# KiCad board kim-1.kicad_pcb
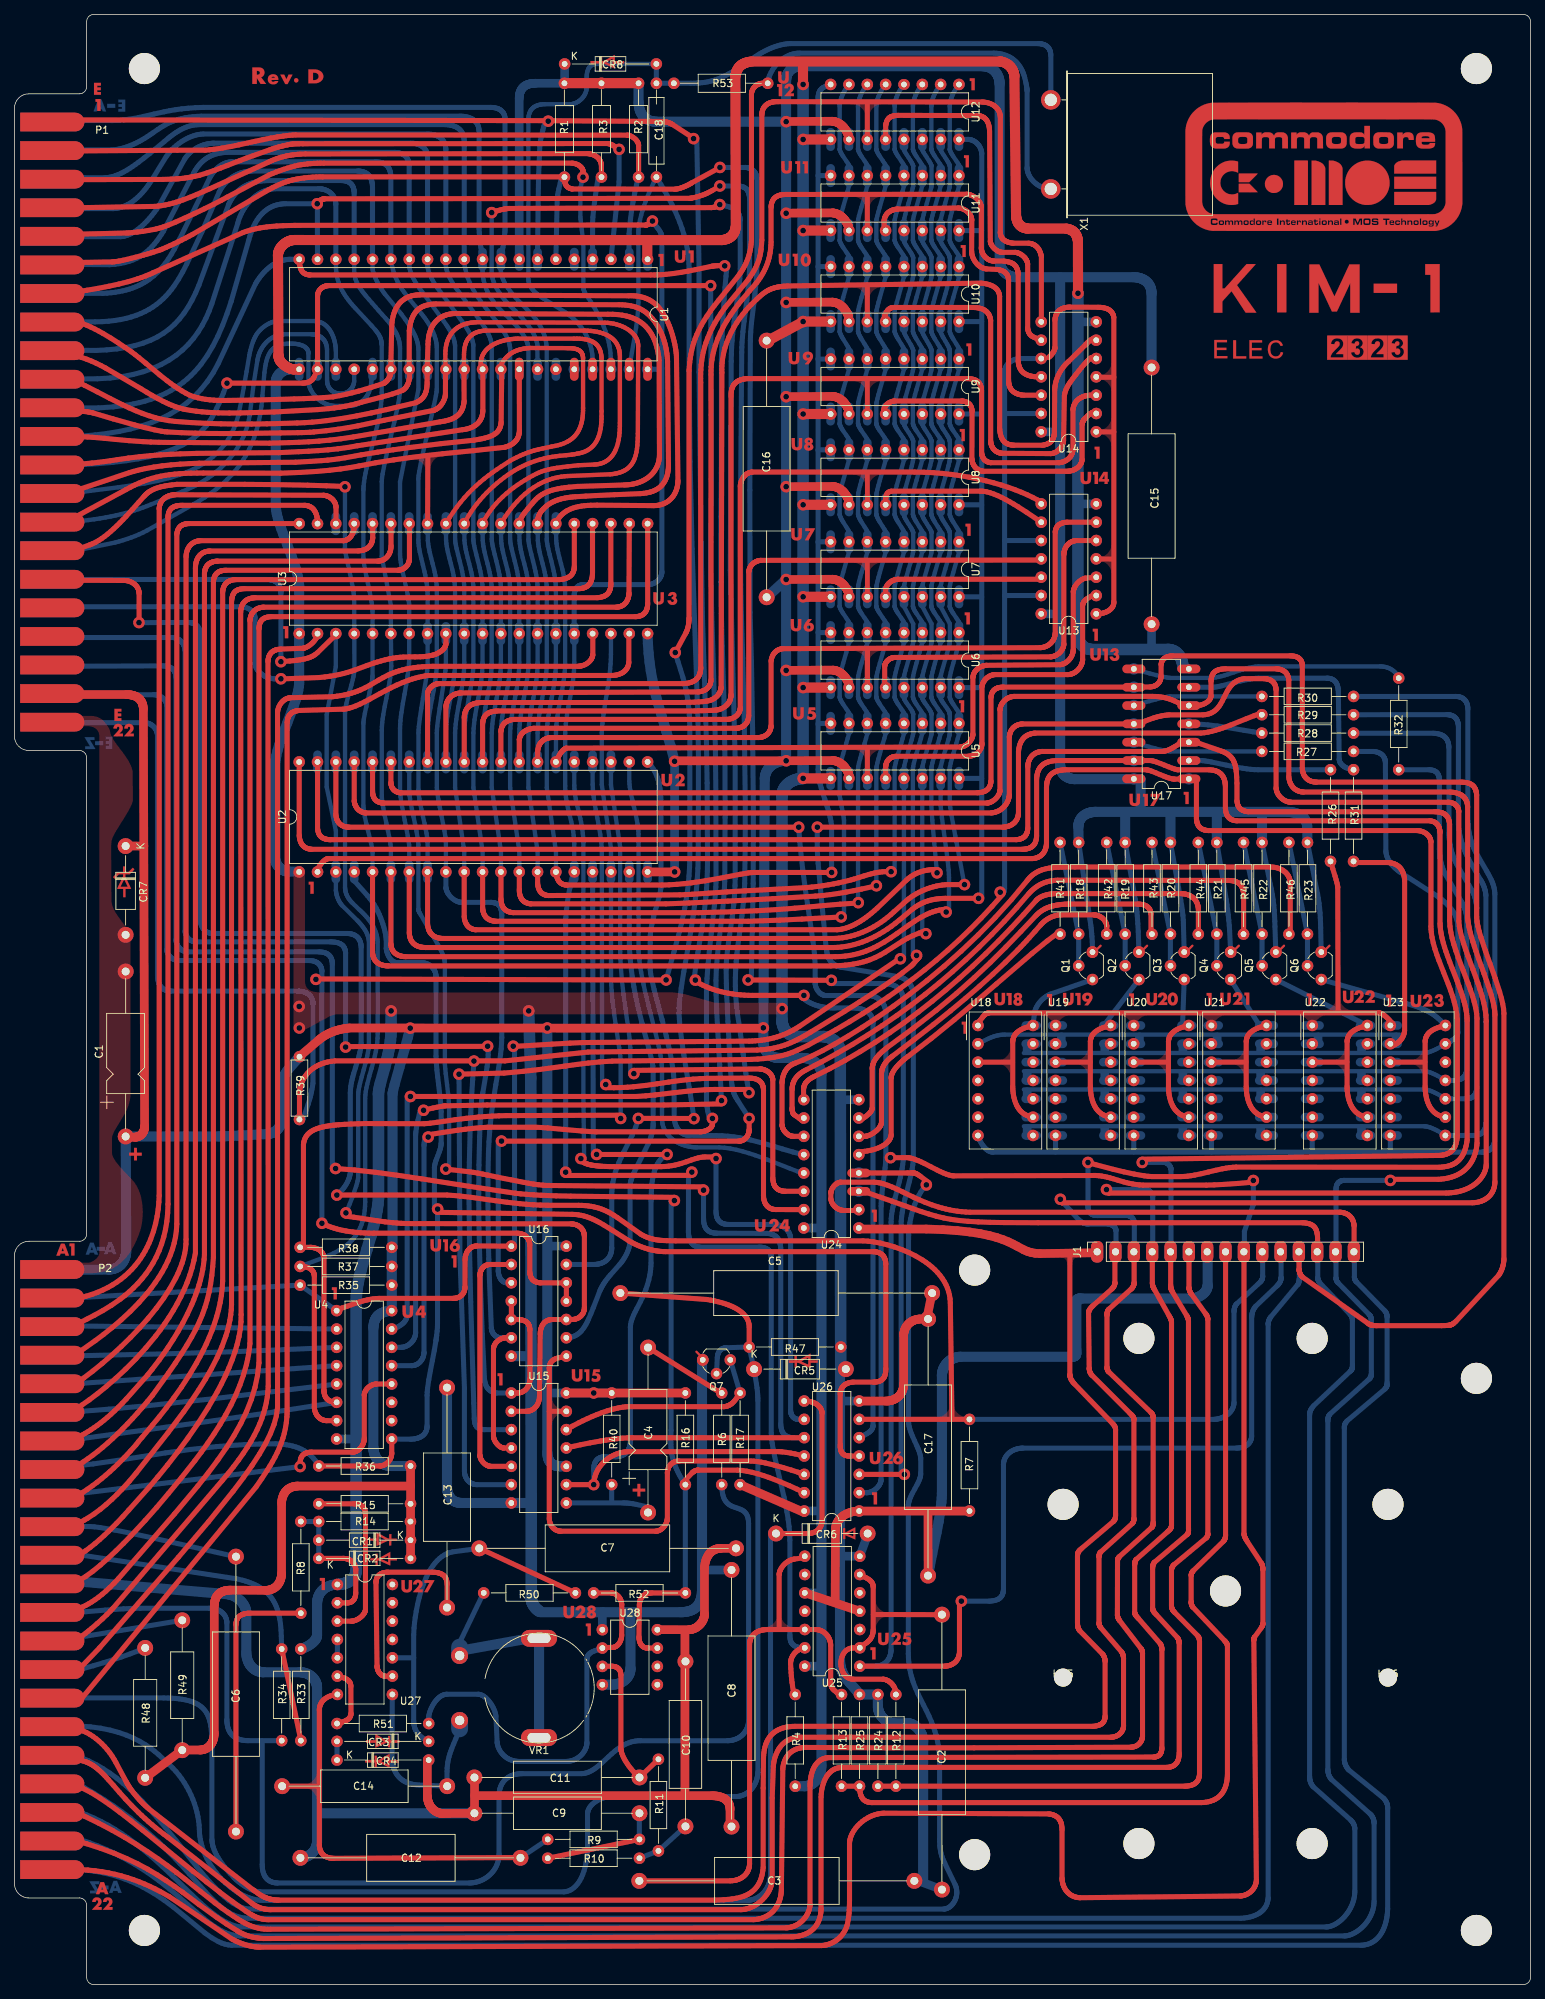
[diagram p0: board, top side]
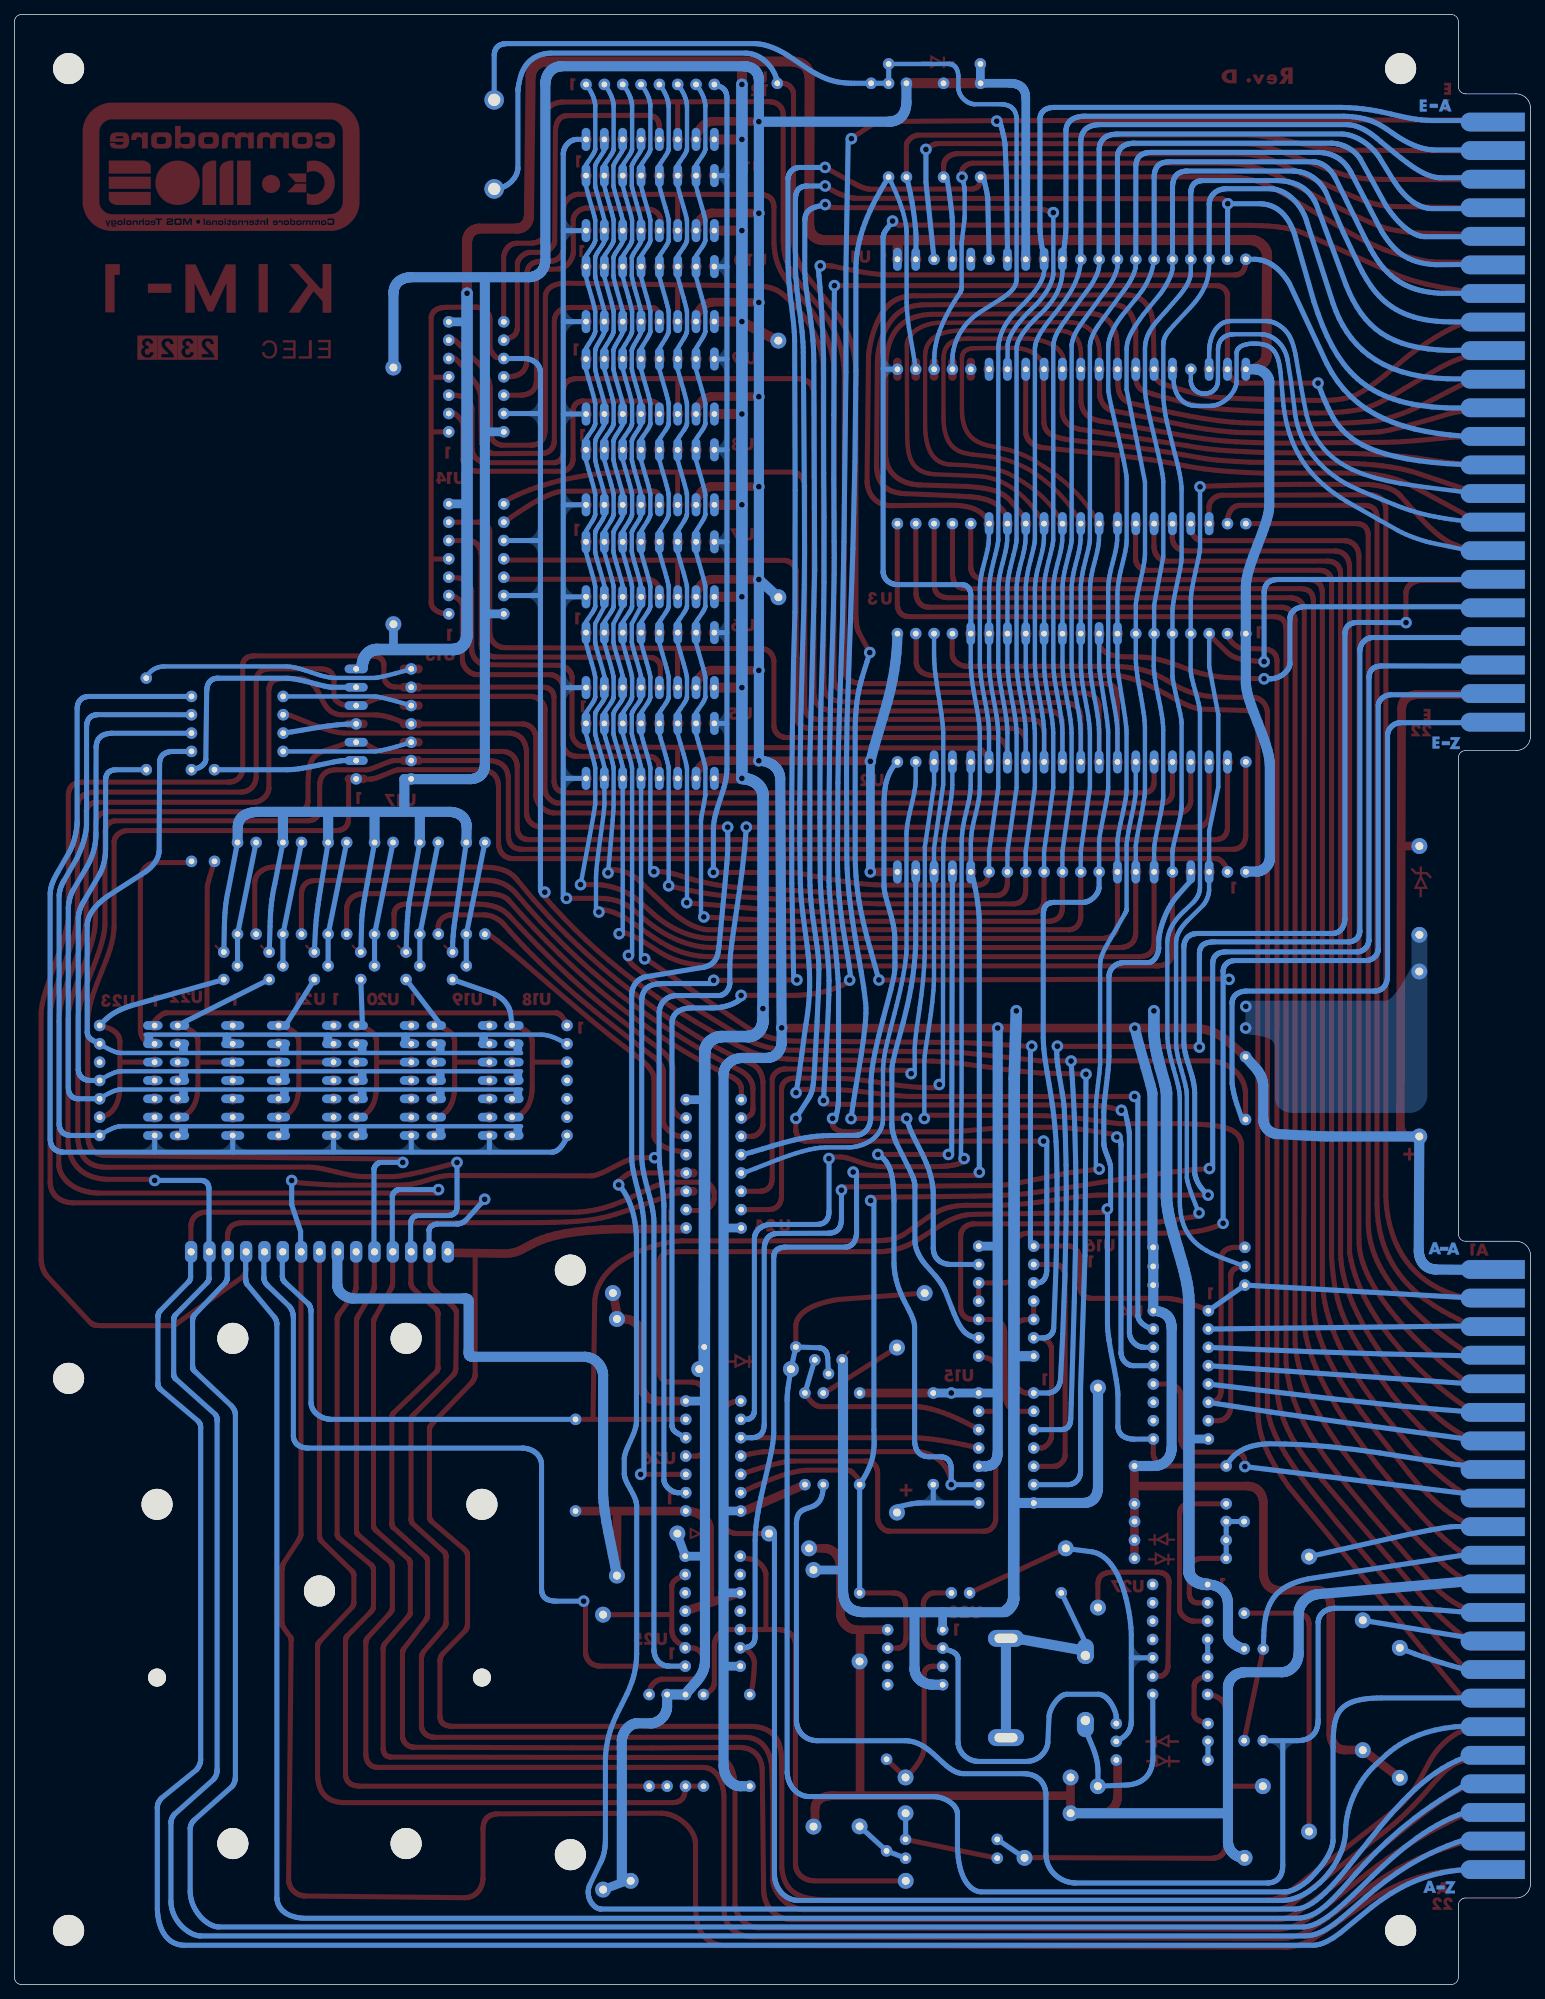
[diagram p1: board, bottom side, seen from below]

Outline 210 x 273 mm; copper layers: Top, Bottom. Coordinates in mm from the lower left corner of the outline.
Outline path: 0,260 arc(0.59,261.41) 2,262 9,262 arc(9.71,262.29) 10,263 10,272 arc(10.29,272.71) 11,273 209,273 arc(209.71,272.71) 210,272 210,1 arc(209.71,0.29) 209,0 11,0 arc(10.29,0.29) 10,1 10,11 arc(9.71,11.71) 9,12 2,12 arc(0.59,12.59) 0,14 0,101 arc(0.59,102.41) 2,103 9,103 arc(9.71,103.29) 10,104 10,170 arc(9.71,170.71) 9,171 2,171 arc(0.59,171.59) 0,173 0,260
Stack: Top 0.035mm / dielectric 1.51mm FR4 er 4.5 / Bottom 0.035mm

## Placement (name value [footprint] x y rotation side)
C1  1uF 50V  [CP_Axial_L11.0mm_D5.0mm_P22.86mm_Horizontal]  15.41 117.52 90 top
C2  220nF  [C_Axial_L17.0mm_D6.5mm_P38.10mm_Horizontal]  128.47 13.16 90 top
C3  220nF  [C_Axial_L17.0mm_D6.5mm_P38.10mm_Horizontal]  86.55 14.37 0 top
C4  1uF 50V  [CP_Axial_L11.0mm_D5.0mm_P22.86mm_Horizontal]  87.76 65.41 90 top
C5  330nF  [C_Axial_L17.0mm_D6.5mm_P43.18mm_Horizontal]  83.93 95.82 0 top
C6  220nF  [C_Axial_L17.0mm_D6.5mm_P38.10mm_Horizontal]  30.68 21.2 90 top
C7  100nF  [C_Axial_L17.0mm_D6.5mm_P35.56mm_Horizontal]  99.94 60.45 180 top
C8  100nF  [C_Axial_L17.0mm_D6.5mm_P35.56mm_Horizontal]  99.32 21.89 90 top
C9  6n8  [C_Axial_L12.0mm_D4.5mm_P22.86mm_Horizontal]  63.71 23.74 0 top
C10  6n8  [C_Axial_L12.0mm_D4.5mm_P22.86mm_Horizontal]  92.94 44.78 270 top
C11  6n8  [C_Axial_L12.0mm_D4.5mm_P22.86mm_Horizontal]  63.71 28.7 0 top
C12  47n  [C_Axial_L12.0mm_D5.0mm_P30.48mm_Horizontal]  39.61 17.56 0 top
C13  22nF  [C_Axial_L12.0mm_D5.0mm_P30.48mm_Horizontal]  59.92 52.24 90 top
C14  1nF  [C_Axial_L12.0mm_D4.5mm_P22.86mm_Horizontal]  59.94 27.49 180 top
C15  100nF  [C_Axial_L17.0mm_D6.5mm_P35.56mm_Horizontal]  157.51 224.07 270 top
C16  100nF  [C_Axial_L17.0mm_D6.5mm_P35.56mm_Horizontal]  104.19 192.24 90 top
C17  100nF  [C_Axial_L17.0mm_D6.5mm_P35.56mm_Horizontal]  126.55 56.67 90 top
C18  10pF  [C_Disc_D9.0mm_W2.5mm_P13.00mm]  88.92 250.46 90 top
CR1  1N914  [D_DO-35_SOD27_P12.70mm_Horizontal]  54.86 61.58 180 top
CR2  1N914  [D_DO-35_SOD27_P12.70mm_Horizontal]  42.16 59.06 0 top
CR3  1N914  [D_DO-35_SOD27_P12.70mm_Horizontal]  57.38 33.7 180 top
CR4  1N914  [D_DO-35_SOD27_P12.70mm_Horizontal]  44.68 31.11 0 top
CR5  1N4001  [D_DO-41_SOD81_P12.70mm_Horizontal]  102.45 85.28 0 top
CR6  1N4001  [D_DO-41_SOD81_P12.70mm_Horizontal]  105.48 62.5 0 top
CR7  1N4735  [D_DO-41_SOD81_P12.30mm_Horizontal]  15.4 157.76 270 top
CR8  1N914  [D_DO-35_SOD27_P12.70mm_Horizontal]  76.21 266.14 0 top
H1  -  [Mounting_Hole_4.3mm_M4]  18 265.5 0 top
H2  -  [Mounting_Hole_4.3mm_M4]  202.5 265.5 0 top
H3  -  [Mounting_Hole_4.3mm_M4]  18 7.5 0 top
H4  -  [Mounting_Hole_4.3mm_M4]  202.5 7.5 0 top
H5  -  [Mounting_Hole_4.3mm_M4]  133 99 0 top
H6  -  [Mounting_Hole_4.3mm_M4]  155.75 89.54 0 top
H7  -  [Mounting_Hole_4.3mm_M4]  179.75 89.54 0 top
H8  -  [Mounting_Hole_4.3mm_M4]  202.5 84 0 top
H9  -  [Mounting_Hole_4.3mm_M4]  145.25 66.54 0 top
H10  -  [Mounting_Hole_4.3mm_M4]  190.25 66.54 0 top
H11  -  [Mounting_Hole_4.3mm_M4]  167.75 54.54 0 top
H12  -  [Mounting_Hole_4.3mm_M4]  133 18 0 top
H13  -  [Mounting_Hole_4.3mm_M4]  155.75 19.54 0 top
H14  -  [Mounting_Hole_4.3mm_M4]  179.75 19.54 0 top
H15  -  [Mounting_Hole_2.5mm]  145.25 42.54 0 top
H16  -  [Mounting_Hole_2.5mm]  190.25 42.54 0 top
J1  Keyboard  [PinSocket_1x15_P2.54mm_Vertical]  149.97 101.54 90 top
LOGO  Val**  [Board_Logos]  162.19 260.78 0 top
P1  KIM_EXP  [KIM_CONN]  5.24 216.51 0 top
P2  KIM_APPL  [KIM_CONN]  5.24 57.51 0 top
Q1  BC327 (2N5375)  [TO-92]  149.32 139.26 90 top
Q2  BC327 (2N5375)  [TO-92]  155.76 139.26 90 top
Q3  BC327 (2N5375)  [TO-92]  162.03 139.26 90 top
Q4  BC327 (2N5375)  [TO-92]  168.46 139.26 90 top
Q5  BC327 (2N5375)  [TO-92]  174.72 139.26 90 top
Q6  BC327 (2N5375)  [TO-92]  181.01 139.26 90 top
Q7  BC338 (2N5371)  [TO-92]  99.15 86.56 180 top
R1  3K3  [R_Axial_DIN0207_3K3_L6.3mm_D2.3mm_P13mm_Horizontal]  76.18 250.46 90 top
R2  3K3  [R_Axial_DIN0207_3K3_L6.3mm_D2.3mm_P13mm_Horizontal]  86.45 250.46 90 top
R3  3K3  [R_Axial_DIN0207_3K3_L6.3mm_D2.3mm_P13mm_Horizontal]  81.31 250.46 90 top
R4  3K3  [R_Axial_DIN0309_3K3_L6.3mm_D2.3mm_P12.70mm_Horizontal]  108.15 40.19 270 top
R6  3K3  [R_Axial_DIN0309_3K3_L6.3mm_D2.3mm_P12.70mm_Horizontal]  97.97 81.97 270 top
R7  10K  [R_Axial_DIN0309_10K_L6.3mm_D2.3mm_P12.70mm_Horizontal]  132.28 65.62 90 top
R8  10K  [R_Axial_DIN0309_10K_L6.3mm_D2.3mm_P12.70mm_Horizontal]  39.67 64.16 270 top
R9  10K  [R_Axial_DIN0309_10K_L6.3mm_D2.3mm_P12.70mm_Horizontal]  86.57 20.12 180 top
R10  10K  [R_Axial_DIN0309_10K_L6.3mm_D2.3mm_P12.70mm_Horizontal]  86.57 17.51 180 top
R11  10K  [R_Axial_DIN0309_10K_L6.3mm_D2.3mm_P12.70mm_Horizontal]  89.2 31.22 270 top
R12  1K  [R_Axial_DIN0309_1K_L6.3mm_D2.3mm_P12.70mm_Horizontal]  122.09 40.19 270 top
R13  1K  [R_Axial_DIN0309_1K_L6.3mm_D2.3mm_P12.70mm_Horizontal]  114.56 40.19 270 top
R14  1K  [R_Axial_DIN0309_1K_L6.3mm_D2.3mm_P12.70mm_Horizontal]  54.85 64.16 180 top
R15  1K  [R_Axial_DIN0309_1K_L6.3mm_D2.3mm_P12.70mm_Horizontal]  42.16 66.62 0 top
R16  1K  [R_Axial_DIN0309_1K_L6.3mm_D2.3mm_P12.70mm_Horizontal]  92.93 69.27 90 top
R17  1K  [R_Axial_DIN0309_1K_L6.3mm_D2.3mm_P12.70mm_Horizontal]  100.51 69.27 90 top
R18  1K  [R_Axial_DIN0309_1K_L6.3mm_D2.3mm_P12.70mm_Horizontal]  147.41 145.56 90 top
R19  1K  [R_Axial_DIN0309_1K_L6.3mm_D2.3mm_P12.70mm_Horizontal]  153.85 145.56 90 top
R20  1K  [R_Axial_DIN0309_1K_L6.3mm_D2.3mm_P12.70mm_Horizontal]  160.12 145.56 90 top
R21  1K  [R_Axial_DIN0309_1K_L6.3mm_D2.3mm_P12.70mm_Horizontal]  166.55 145.56 90 top
R22  1K  [R_Axial_DIN0309_1K_L6.3mm_D2.3mm_P12.70mm_Horizontal]  172.81 145.56 90 top
R23  1K  [R_Axial_DIN0309_1K_L6.3mm_D2.3mm_P12.70mm_Horizontal]  179.1 145.56 90 top
R24  47K  [R_Axial_DIN0309_47K_L6.3mm_D2.3mm_P12.70mm_Horizontal]  119.6 40.19 270 top
R25  47K  [R_Axial_DIN0309_47K_L6.3mm_D2.3mm_P12.70mm_Horizontal]  117.05 27.49 90 top
R26  82R  [R_Axial_DIN0309_82R_L6.3mm_D2.3mm_P12.70mm_Horizontal]  182.29 168.34 270 top
R27  82R  [R_Axial_DIN0309_82R_L6.3mm_D2.3mm_P12.70mm_Horizontal]  172.78 170.88 0 top
R28  82R  [R_Axial_DIN0309_82R_L6.3mm_D2.3mm_P12.70mm_Horizontal]  172.78 173.42 0 top
R29  82R  [R_Axial_DIN0309_82R_L6.3mm_D2.3mm_P12.70mm_Horizontal]  172.78 175.96 0 top
R30  82R  [R_Axial_DIN0309_82R_L6.3mm_D2.3mm_P12.70mm_Horizontal]  172.78 178.5 0 top
R31  82R  [R_Axial_DIN0309_82R_L6.3mm_D2.3mm_P12.70mm_Horizontal]  185.48 168.34 270 top
R32  82R  [R_Axial_DIN0309_82R_L6.3mm_D2.3mm_P12.70mm_Horizontal]  191.74 181.04 270 top
R33  47R  [R_Axial_DIN0309_47R_L6.3mm_D2.3mm_P12.70mm_Horizontal]  39.67 46.5 270 top
R34  2K2  [R_Axial_DIN0309_2K2_L6.3mm_D2.3mm_P12.70mm_Horizontal]  37.02 33.8 90 top
R35  560R  [R_Axial_DIN0309_560R_L6.3mm_D2.3mm_P12.70mm_Horizontal]  39.57 96.92 0 top
R36  560R  [R_Axial_DIN0309_560R_L6.3mm_D2.3mm_P12.70mm_Horizontal]  42.16 71.86 0 top
R37  560R  [R_Axial_DIN0309_560R_L6.3mm_D2.3mm_P12.70mm_Horizontal]  39.57 99.51 0 top
R38  560R  [R_Axial_DIN0309_560R_L6.3mm_D2.3mm_P12.70mm_Horizontal]  39.57 102.16 0 top
R39  560R  [R_Axial_DIN0309_560R_L6.3mm_D2.3mm_P8.70mm_Horizontal]  39.48 119.87 90 top
R40  560R  [R_Axial_DIN0309_560R_L6.3mm_D2.3mm_P12.70mm_Horizontal]  82.73 81.97 270 top
R41  100R  [R_Axial_DIN0309_100R_L6.3mm_D2.5mm_P12.70mm_Horizontal]  144.83 158.26 270 top
R42  100R  [R_Axial_DIN0309_100R_L6.3mm_D2.5mm_P12.70mm_Horizontal]  151.29 158.27 270 top
R43  100R  [R_Axial_DIN0309_100R_L6.3mm_D2.5mm_P12.70mm_Horizontal]  157.56 158.26 270 top
R44  100R  [R_Axial_DIN0309_100R_L6.3mm_D2.5mm_P12.70mm_Horizontal]  163.98 158.26 270 top
R45  100R  [R_Axial_DIN0309_100R_L6.3mm_D2.5mm_P12.70mm_Horizontal]  170.24 158.26 270 top
R46  100R  [R_Axial_DIN0309_100R_L6.3mm_D2.5mm_P12.70mm_Horizontal]  176.53 158.26 270 top
R47  220R  [R_Axial_DIN0309_220R_L6.3mm_D2.3mm_P12.70mm_Horizontal]  114.46 88.35 180 top
R48  150R  [R_Axial_DIN0309_150R_L9.0mm_D3.2mm_P18.00mm_Horizontal]  18.11 28.65 90 top
R49  150R  [R_Axial_DIN0309_150R_L9.0mm_D3.2mm_P18.00mm_Horizontal]  23.24 32.48 90 top
R50  2K2  [R_Axial_DIN0309_2K2_L6.3mm_D2.3mm_P12.70mm_Horizontal]  77.7 54.27 180 top
R51  30K  [R_Axial_DIN0309_30K_L6.3mm_D2.3mm_P12.70mm_Horizontal]  57.38 36.17 180 top
R52  5M  [R_Axial_DIN0309_5M_L6.3mm_D2.3mm_P12.70mm_Horizontal]  92.93 54.27 180 top
R53  330K  [R_Axial_DIN0207_330K_L6.3mm_D2.3mm_P13mm_Horizontal]  91.34 263.46 0 top
Ref**  Val**  [Number_3]  190.19 228.5 0 top
Ref**#2  Val**  [Number_2]  187.4 228.5 0 top
Ref**#3  Val**  [Number_2]  181.82 228.5 0 top
Ref**#4  Val**  [Typography]  184.21 252.56 0 top
Ref**#5  Val**  [Number_3]  184.61 228.5 0 top
U1  6502  [DIP-40_W15.24mm_U1]  87.7 239.07 270 top
U2  6530  [DIP-40_W15.24mm_U2]  39.44 154.18 90 top
U3  6530  [DIP-40_W15.24mm_U3]  39.44 187.2 90 top
U4  74145  [DIP-16_W7.62mm]  44.63 93.38 0 top
U5  6102  [DIP-16_W7.62mm_U5-U11]  130.83 174.76 270 top
U6  6102  [DIP-16_W7.62mm_U5-U11]  130.83 187.34 270 top
U7  6102  [DIP-16_W7.62mm_U5-U11]  130.83 199.92 270 top
U8  6102  [DIP-16_W7.62mm_U5-U11]  130.83 212.67 270 top
U9  6102  [DIP-16_W7.62mm_U5-U11]  130.83 225.25 270 top
U10  6102  [DIP-16_W7.62mm_U5-U11]  130.83 238.06 270 top
U11  6102  [DIP-16_W7.62mm_U5-U11]  130.83 250.67 270 top
U12  6102  [DIP-16_W7.62mm_U12]  130.83 263.3 270 top
U13  74125  [DIP-14_W7.62mm]  149.84 189.94 180 top
U14  74125  [DIP-14_W7.62mm]  149.84 215.16 180 top
U15  7400  [DIP-14_W7.62mm]  68.82 81.97 0 top
U16  7404  [DIP-14_W7.62mm]  68.82 102.32 0 top
U17  7406  [DIP-14_W7.62mm_U17]  162.67 167.07 180 top
U18  C. ANODE  [MAN72A_U18]  133.46 132.9 0 top
U19  C. ANODE  [MAN72A_U19-U20]  144.21 132.9 0 top
U20  C. ANODE  [MAN72A_U19-U20]  155.03 132.9 0 top
U21  C. ANODE  [MAN72A_U21]  165.8 132.9 0 top
U22  C. ANODE  [MAN72A_U22]  179.77 132.9 0 top
U23  C. ANODE  [MAN72A_U23]  190.58 132.9 0 top
U24  74145  [DIP-16_W7.62mm_U24]  116.96 104.84 180 top
U25  556  [DIP-14_W7.62mm]  117.09 44.12 180 top
U26  7438  [DIP-14_W7.62mm]  117.01 65.62 180 top
U27  565  [DIP-14_W7.62mm]  44.73 55.44 0 top
U28  LM311  [DIP-8_W7.62mm]  81.43 49.17 0 top
VR1  5K  [Piher-PT-15-LV18]  72.66 47.97 180 top
X1  1MHz  [Crystal_HC33-U_Horizontal]  143.55 248.82 90 top

## Library data of the parts
C1 C4 = -: Description: Polarized capacitor, small symbol
C2 C3 C5-C18 = -: Description: Unpolarized capacitor, small symbol
CR1-CR4 CR8 = -: Description: 100V 0.3A Small Signal Fast Switching Diode, DO-35
CR5 CR6 = -: Description: 50V 1A General Purpose Rectifier Diode, DO-41; Sim.Device: D; Sim.Pins: 1=K 2=A
CR7 = -: Description: Zener diode
J1 = -: Description: Generic connector, single row, 01x15, script generated
P1 P2 = -: Description: Generic connector, double row, 02x22, counter clockwise pin numbering scheme (similar to DIP packge numbering), script generated (kicad-library-utils/schlib/autogen/connector/)
Q1-Q6 = -: Description: 0.8A Ic, 45V Vce, PNP Transistor, TO-92
Q7 = -: Description: 0.8A Ic, 25V Vce, NPN Transistor, TO-92
R1-R4 R6-R53 = -: Description: Resistor, small symbol
U1 = -: Description: 8-Bit Microprocessing unit 1.0MHz, DIP-40
U2 U3 = -: Description: MEMORY, I/O, TIMER ARRAY, DIP-40
U5-U12 = -: Description: NMOS, 1K Static RAM (SRAM), DIP-16
U13 U14 = -: Description: Quad buffer 3-State outputs
U15 = -: Description: quad 2-input NAND gate
U16 = -: Description: Hex Inverter
U17 = -: Description: Inverter Open Collect
U18-U23 = -: Description: Single digit 7 segment red LED common anode left hand decimal
U25 = -: Description: Dual Timer, DIP-14/SOIC-14
U26 = -: Description: Quad Buffer 2-input NAND Open collector
U27 = -: Description: Dual Timer, DIP-14
U28 = -: Description: Voltage Comparator, DIP-8/SOIC-8
VR1 = -: Description: Potentiometer
X1 = -: Description: Two pin crystal
